# Altium PCB PCB.PcbDoc (part 2 of 2)
Units mil, origin at the board's own origin, x right, y up, seen from the top; angles counter-clockwise.
Board outline 3079.44 x 3937.01 mil, 2 copper layers (Top Layer, Bottom Layer); 104 components, 94 nets, 410 pads, 306 vias.
Unrouted connection lines stored in the file: 149.
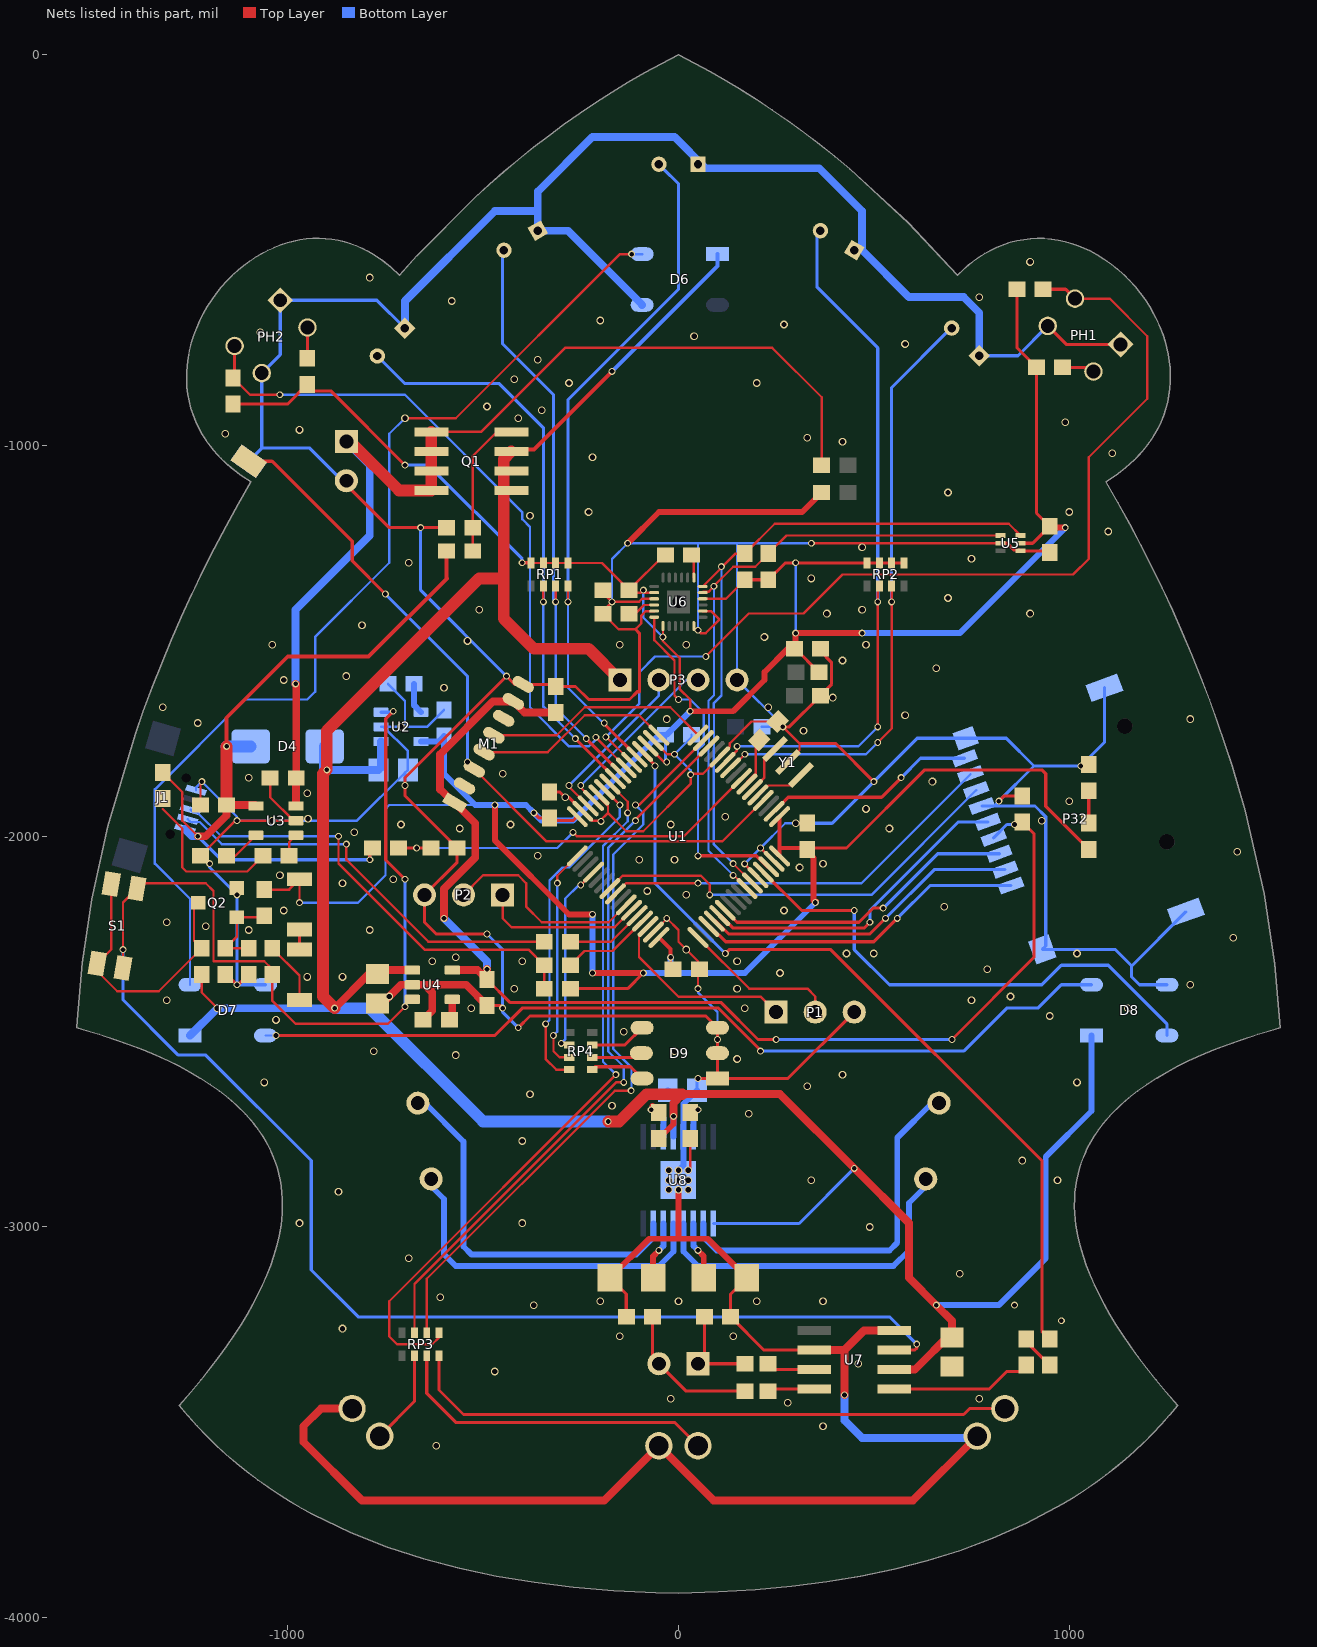
[diagram p2: the nets of this part, all layers, seen from the top]

## Via types
v1: diameter 19.68, hole 13.78, Top Layer to Bottom Layer, tented both sides, 142 vias
v2: diameter 17.72, hole 11.81, Top Layer to Bottom Layer, tented both sides, 128 vias
v3: diameter 19.68, hole 13.78, Top Layer to Bottom Layer, 26 vias
v4: diameter 17.72, hole 11.81, Top Layer to Bottom Layer, 8 vias
v5: diameter 29.53, hole 29.53, Top Layer to Bottom Layer, tented both sides, 2 vias

## Nets (pads, with @x,y where several pads share a name; then routed paths per layer and width w, separated by ;. In a path a pad name is that pad's centre, name@x,y a point inside that pad or via, vN(x,y) a via of type N, cw(c..) or ccw(c..) an arc to the next point about the centre after c; other vN are vias at no path point) (continued)
GND: BT1.2 C1.2 C2.1 C3.1 C4.1 C5.2 C6.2 C7.1 C8.1 C9.1 C10.1 C11.1 C12.1 C13.2 C14.2 C15.2 C16.2 C17.2 C18.1 C19.1 C21.1 C22.2 C24.2 C26.2 C27.2 C29.1 C30.1 C31.1 D6.3 D7.3 D8.3 D9.1 D9.2 D9.3 D10.2 D11.2 D12.2 J1.5 M1.8 P1.3 P2.3 P3.4 P10.2 P32.6 P32.10 PH1.2 PH1.3 PH2.2 PH2.3 Q2.2 Q3.1 Q4.1 Q5.1 Q6.1 Q7.1 R2.2 R3.2 R5.1 R11.1 R12.1 R15.2 R17.1 R35.1 U1.12 U1.18 U1.28 U1.31 U1.47 U1.60 U1.63 U2.2 U3.2 U4.2 U5.2 U5.4 U6.9 U6.11 U6.18 U6.20 U7.4 U7.6 U8.13 U8.EPAD Y1.2 | length 22454.1
  Top Layer w6: R5.1@-1223.46,-2050 -1133.46,-1960 v2(-1130,-1960) v3(-1040,-1960) U3.2@-985.33,-1960 ; C8.1@-1223.46,-1920 -1223.46,-1863.46 v2(-1220,-1860) ; C7.1@-1045.14,-1850.99 -1045.14,-1900.19 U3.2@-985.33,-1960 ; U3.2@-978.82,-1960 U3.2@-985.33,-1960 ; U1.31@-244.98,-1935.97 -220.95,-1960 -200,-1960 -180.36,-1940.36 ; U1.28@-203.22,-1894.21 -203.22,-1899.56 -180.36,-1922.42 -180.36,-1940.36 ; C14.2@-193.46,-1370 -193.46,-1376.54 v2(-170,-1400) ; U1.47@-64.03,-2244.98 -30,-2210.95 v2(-30,-2210) 0,-2240 0,-2270 v3(20,-2290) 50,-2320 v4(50,-2390) ; U1.18@-64.03,-1755.02 -29.05,-1790 v2(-10,-1790) ; U6.11@-62.01,-1423.62 -83.62,-1423.62 -94.88,-1434.88 -94.88,-1454.88 -110,-1470 -153.46,-1470 C13.2@-193.46,-1430 -193.46,-1423.46 v2(-170,-1400) ; U6.9@-62.01,-1392.13 -93.18,-1392.13 -100.74,-1399.69 -169.69,-1399.69 v2(-170,-1400) ; v1(25,-2855) 30,-2850 C21.1@30,-2773.46 ; v2(50,-1472.64) 57.36,-1480 70,-1480 105,-1445 83.62,-1423.62 U6.20@62.01,-1423.62 ; v2(169.3,-2070.7) 203.22,-2104.62 U1.60@203.22,-2105.79 ; v2(210,-2030) 244.03,-2064.03 U1.63@244.98,-2064.03 ; Y1.2@280,-1810 310,-1780 310,-1762.67 v2(267.33,-1720) C29.1@253.66,-1706.34 186.99,-1706.34 131.14,-1762.19 131.14,-1771.42 U1.12@105.79,-1796.78 62.56,-1840 33.56,-1840 v2(31.14,-1842.41) 31.14,-1865.86 -90,-1987 -133.72,-1987 -180.36,-1940.36 ; v2(340,-1250) U5.2@824.41,-1250
  Top Layer w8: R5.1@-1223.46,-2050 -1220,-2050 v2(-1200,-2070) ; C31.1@-1160,-2353.46 -1156.54,-2353.46 v2(-1130,-2380) -1126.54,-2380 R35.1@-1100,-2353.46 ; BT1.2@-850,-1100 -740,-1210 v2(-660,-1210) R2.2@-593.46,-1210 R2.2@-593.46,-1213.1 ; C17.2@-490,-2433.46 -456.54,-2433.46 v2(-450,-2440) ; v2(-490,-2250) -620,-2250 -650,-2220 P2.3@-650,-2150 -566.54,-2066.54 R17.1@-566.54,-2030 -700,-1896.54 v2(-700,-1870) -700,-1850 v2(-440,-1590) -418.55,-1611.45 M1.8@-397.49,-1611.45 -319.34,-1611.45 C18.1@-314.25,-1616.54 -263.46,-1616.54 -230,-1650 -125.39,-1650 -105.39,-1630 -100,-1630 -100,-1480 -110,-1470 ; v2(-410,-2490) -380,-2460 69.92,-2460 D9.3@100,-2490.08 v2(100,-2520) D9.2@100,-2555.08 D9.1@100,-2620 ; C12.1@-330,-1886.54 -303.46,-1886.54 v1(-290,-1900) -280.95,-1900 U1.31@-244.98,-1935.97 ; R12.1@-175.12,-3130 -133.46,-3171.65 C27.2@-133.46,-3230 ; v2(50,-2620) D9.1@100,-2620 ; R11.1@175.12,-3130 133.46,-3171.65 C26.2@133.46,-3230 218.46,-3315 U7.6@347.64,-3315 ; v2(267.33,-1720) 283.46,-1720 C3.1@363.46,-1640 363.46,-1639.4 392.18,-1610.69 392.18,-1555.76 363.46,-1527.04 C4.1@363.46,-1520 ; v1(300,-1966.54) C10.1@330,-1966.54 ; 310,-1762.67 402.67,-1762.67 v2(500,-1860) ; P1.3@450,-2450 280,-2620 D9.1@100,-2620 ; v2(820,-1910) 833.46,-1896.54 C30.1@880,-1896.54 ; U5.2@824.41,-1250 841.24,-1250 858.16,-1266.92 872.83,-1266.92 U5.4@875.59,-1269.68 946.22,-1269.68 C24.2@950,-1273.46 ; PH1.3@945.3,-693.57 992.63,-740.9 PH1.2@1131.82,-740.9
  Top Layer w15: R12.1@-175.12,-3130 -75.12,-3030 0,-3030 ; v2(-130,-1250) -50,-1170 316.54,-1170 R15.2@366.54,-1120 ; v1(0,-2905) 0,-3030 ; R11.1@175.12,-3130 75.12,-3030 0,-3030
  Top Layer w20: D10.2@-835.36,-3464.64 -914.64,-3464.64 -960,-3510 -960,-3550 -810,-3700 -190,-3700 D11.2@-50,-3560 90,-3700 600,-3700 D12.2@764.64,-3535.36 ; C16.2@-770,-2427.4 -757.4,-2427.4 v1(-740,-2410) -710,-2380 U4.2@-681.18,-2380 -650,-2380 ; C15.2@-653.46,-2470 -630,-2446.54 -630,-2400 -650,-2380 ; C17.2@-490,-2433.46 -543.46,-2380 -650,-2380 ; U7.6@347.64,-3315 425,-3315 ; v2(425,-3430) 425,-3315 ; U7.4@552.36,-3265 475,-3265 425,-3315
  Bottom Layer w6: J1.5@-1234.79,-1882.6 -1234.79,-1874.79 v2(-1220,-1860) -1130,-1950 v2(-1130,-1960) v3(-1040,-1960) -822.6,-1960 -700,-1837.4 C6.2@-692.6,-1830 -692.6,-1782.08 U2.2@-754.67,-1720 ; U2.2@-761.18,-1720 U2.2@-754.67,-1720 ; C1.2@-743.46,-1610 -700,-1653.46 -700,-1720 ; C5.2@-600,-1676.54 -643.46,-1720 -700,-1720 ; v2@-201.76,-1961.76 v2(-198.24,-1961.76) ; v2(-170,-1400) -170,-1290 v2(-130,-1250) 50,-1250 ; v2(31.14,-1842.41) 31.14,-1831.14 v2(-10,-1790) 33.46,-1746.54 C2.1@33.46,-1740 ; v4(50,-2390) 50,-2400 100,-2450 v2(100,-2520) ; v2(50,-1472.64) 50,-1250 ; v2(169.3,-2070.7) v2(210,-2030) 273.46,-1966.54 v1(300,-1966.54) ; C9.1@213.46,-1720 v2(267.33,-1720) 267.33,-1717.33 P3.4@150,-1600 150,-1250 ; v2(340,-1250) 150,-1250 ; U2.2@-754.67,-1720 v1(-710,-1720) -700,-1720 ; 50,-1250 150,-1250
  Bottom Layer w8: v2(-1200,-2070) -1200,-2080 v2(-1130,-2150) v2(-1130,-2380) -1129.92,-2380.08 D7.3@-1057.09,-2380.08 ; P10.2@-1100,-1040 -1066.43,-1006.42 ; BT1.2@-850,-1100 -943.58,-1006.42 -1066.43,-1006.42 ; v2(-700,-1870) C6.2@-700,-1837.4 ; Q3.1@-700,-700 -771.82,-628.18 PH2.2@-1019.1,-628.18 -1019.1,-767.37 PH2.3@-1066.43,-814.7 -1066.43,-1006.42 ; v2(-660,-1210) -660,-1370 v2(-440,-1590) ; v2(-490,-2250) -450,-2290 v2(-450,-2440) -450,-2450 v2(-410,-2490) ; C22.2@47.4,-2650 47.4,-2622.6 v2(50,-2620) ; v1(300,-1966.54) 393.46,-1966.54 v2(500,-1860) 610.73,-1749.27 P32.10@734.84,-1749.27 839.27,-1749.27 910,-1820 ; Q7.1@770,-770 868.87,-770 PH1.3@945.3,-693.57 ; P32.6@776.94,-1922.48 P32.6@807.52,-1922.48 ; P32.10@1090,-1620 1090,-1760 v2(1030,-1820) 910,-1820 ; D8.3@1250,-2380 1180,-2380 1160,-2360 1160,-2332.15 ; P32.10@1298.71,-2193.43 1160,-2332.15 ; P32.6@807.52,-1922.48 912.48,-1922.48 940,-1950 940,-2280.84 P32.10@931.43,-2289.41 1117.26,-2289.41 1160,-2332.15 ; P32.6@807.52,-1922.48 v2(820,-1910) 910,-1820
  Bottom Layer w15: v1(0,-2855) 12.8,-2842.2 U8.13@12.8,-2769 12.8,-2684.61 C22.2@47.4,-2650
  Bottom Layer w20: Q3.1@-700,-700 -700,-630 -470,-400 -360,-400 ; D6.3@-92.91,-639.92 -282.83,-450 Q4.1@-360,-450 -360,-400 ; v2(425,-3430) 425,-3495 470,-3540 760,-3540 D12.2@764.64,-3535.36 ; Q7.1@770,-770 770,-660 730,-620 590,-620 470,-500 470,-400 360,-290 70,-290 -10,-210 -220,-210 -360,-350 -360,-400
  other v1: -620,-3560 280,-3450 -20,-3440 770,-3440 -470,-3370 460,-3350 -150,-3280 140,-3280 -860,-3260 -370,-3200 -200,-3190 0,-3190 200,-3190 370,-3190 -610,-3180 720,-3120 -690,-3080 490,-3000 -970,-2990 -400,-2990 -870,-2910 -25,-2905 25,-2905 -25,-2880 0,-2880 25,-2880 340,-2880 970,-2880 -25,-2855 880,-2830 -400,-2780 180,-2710 -170,-2690 -380,-2660 330,-2640 -1060,-2630 1020,-2630 420,-2610 150,-2570 -570,-2560 -780,-2550 -10,-2550 -140,-2500 950,-2460 -530,-2440 -1310,-2420 750,-2420 150,-2390 -860,-2360 260,-2350 790,-2340 -630,-2320 150,-2320 430,-2300 500,-2300 1020,-2300 1420,-2260 -1210,-2230 -1310,-2220 270,-2190 680,-2180 20,-2150 -80,-2140 -860,-2120 -730,-2110 -1020,-2100 370,-2070 -100,-2060 -10,-2060 -360,-2050 1430,-2040 -710,-1970 -430,-1970 -20,-1970 930,-1960 120,-1950 1000,-1910 650,-1860 -450,-1840 320,-1730 -1230,-1710 -30,-1700 1310,-1700 -1320,-1670 230,-1670 395.12,-1645 -600,-1620 -1010,-1600 -850,-1590 660,-1570 420,-1550 -1040,-1510 -150,-1510 20,-1510 -540,-1500 220,-1490 -810,-1460 380,-1430 900,-1430 -510,-1420 470,-1420 690,-1390 340,-1340 -690,-1300 750,-1290 470,-1260 1100,-1220 -380,-1180 -230,-1170 1000,-1170 690,-1120 -220,-1030 1110,-1020 420,-990 330,-980 -1160,-970 -970,-960 990,-940 -410,-930 -350,-910 -490,-900 -280,-840 200,-840 -420,-830 -360,-780 580,-740 40,-720 -1070,-710 270,-690 -200,-680 -580,-630 770,-620 -790,-570 900,-530
  other v2: 980,-3240 860,-3200
  other v3: 370,-3510 -1030,-2470 170,-2440 1150,-2440 850,-2410 -420,-2390 1310,-2380 -950,-2360 -400,-2320 -570,-2310 -1100,-2240 -790,-2240 -1010,-2190 310,-2080 -830,-1990 -560,-1980 540,-1980 -948.07,-1955 480,-1930 -950,-1890 -1100,-1850 580,-1690 480,-1510
I2C1_SCL: R18.1 U1.58 U5.1 U6.23 | length 1637
  Top Layer w6: U6.23@62.01,-1376.38 63.82,-1374.57 76.64,-1374.57 v2@84.8,-1366.4 ; v2@90.33,-1359.67 140,-1310 196.54,-1310 R18.1@230,-1276.54 276.22,-1230.31 U5.1@824.41,-1230.31 ; v2(140,-2100) 141.76,-2100 U1.58@175.38,-2133.63
  Bottom Layer w6: v2(90.66,-1360) 91.14,-1360.48 91.14,-1638.86 77,-1653 77,-1678.62 78.12,-1679.73 78.12,-1769.21 77,-1770.33 77,-2037 v2(140,-2100)
I2C1_SDA: R19.1 U1.59 U5.6 U6.24 | length 1752.7
  Top Layer w6: U6.24@62.01,-1360.63 146.1,-1276.54 R19.1@170,-1276.54 246.54,-1200 845.28,-1200 U5.6@875.59,-1230.31 ; v2(140,-2070) 140,-2070.4 U1.59@189.3,-2119.71
  Bottom Layer w6: v2(110,-1310) 110,-1640 90,-1660 90,-1673.23 91.12,-1674.35 91.12,-1774.6 90,-1775.71 90,-2020 v2(140,-2070)
I2C2_SCL: P3.3 U1.29 | length 463.6
  Top Layer w6: v2(-250,-1870) -250,-1875.27 U1.29@-217.14,-1908.13
  Bottom Layer w6: v2(-250,-1870) 20,-1600 P3.3@50,-1600
I2C2_SDA: P3.2 U1.30 | length 437.6
  Top Layer w6: v2(-280,-1870) -280,-1873.11 U1.30@-231.06,-1922.05
  Bottom Layer w6: v2(-280,-1870) -50,-1640 P3.2@-50,-1600
IR_A1: Q3.2 RP1.6 U1.25 | length 1516.1
  Top Layer w6: v2(-345.75,-1400) RP1.6@-345.75,-1359.53
  Top Layer w8: v2(-263.92,-1750) -255.94,-1757.98 -255.94,-1758.23 -190.43,-1823.73 -190.19,-1823.73 U1.25@-161.47,-1852.45
  Bottom Layer w6: v2(-345.75,-1400) -345.75,-1668.17 v2(-263.92,-1750)
  Bottom Layer w8: Q3.2@-770.71,-770.71 -700,-841.42 -458.58,-841.42 -345.75,-954.25 v2(-345.75,-1400)
IR_A2: Q4.2 RP1.7 U1.24 | length 1504.4
  Top Layer w6: v2(-314.25,-1400) RP1.7@-314.25,-1359.53
  Top Layer w8: v2(-236.08,-1750) -190,-1796.08 -189.76,-1796.08 -147.55,-1838.29 U1.24@-147.55,-1838.53
  Bottom Layer w6: v2(-314.25,-1400) -314.25,-1671.83 v2(-236.08,-1750)
  Bottom Layer w8: Q4.2@-450,-500 -450,-740 -320,-870 -320,-1394.25 v2(-314.25,-1400)
IR_A3: Q5.2 RP1.8 U1.21 | length 1759.4
  Top Layer w6: v2(-282.76,-1400) RP1.8@-282.76,-1359.53
  Top Layer w8: v2(-190,-1710) -190,-1712.56 U1.21@-105.79,-1796.78
  Bottom Layer w6: v2(-282.76,-1400) -282.76,-1619.81 -190,-1712.56 v2(-190,-1710)
  Bottom Layer w8: v2(-282.76,-1400) -282.76,-882.76 0,-600 0,-330 Q5.2@-40,-290
IR_A4: Q6.2 RP2.6 U1.11 | length 1813.9
  Top Layer w6: U1.11@119.71,-1810.7 150,-1780.4 v2(150,-1770) ; v2(510,-1720) v2(510,-1400) 510,-1363.78 RP2.6@514.25,-1359.53
  Bottom Layer w6: v2(150,-1770) 460,-1770 v2(510,-1720)
  Bottom Layer w8: Q6.2@363.4,-450 355,-458.4 355,-595 510,-750 v2(510,-1400)
IR_A5: Q7.2 RP2.7 U1.10 | length 1583.1
  Top Layer w6: U1.10@133.63,-1824.62 135.38,-1824.62 v2(170,-1790) ; v2(510,-1760) 545.75,-1724.25 v2(545.75,-1400) RP2.7@545.75,-1359.53
  Bottom Layer w6: v2(170,-1790) 480,-1790 v2(510,-1760)
  Bottom Layer w8: v2(545.75,-1400) 545.75,-851.41 Q7.2@698.58,-698.58
IR_L1: RP3.3 U1.14 | length 1858.6
  Top Layer w6: RP3.3@-675.75,-3270.47 -675.75,-3145.75 -160,-2630 v2(-140,-2630) ; v2(-110,-1960) -110,-1956.89 U1.14@77.95,-1768.94
  Bottom Layer w6: v2(-140,-2630) -140,-2590 -180,-2550 -180,-2030 v2(-110,-1960)
IR_L2: RP3.2 U1.15 | length 1894
  Top Layer w6: RP3.2@-644.25,-3270.47 -644.25,-3132.64 -162.72,-2651.1 v2(-121.1,-2651.1) ; v2(-110,-1920) -100.95,-1920 U1.15@64.03,-1755.02
  Bottom Layer w6: v2(-121.1,-2651.1) -120,-2650 -120,-2591.62 -167,-2544.62 -167,-2047 -90,-1970 -90,-1940 v2(-110,-1920)
IR_L3: RP3.1 U1.26 | length 1867.4
  Top Layer w6: RP3.1@-612.76,-3270.47 -612.76,-3282.76 -630,-3300 -720,-3300 -740,-3280 -740,-3190 v2(-160,-2610) ; U1.26@-175.38,-1866.37 -130,-1911.76 v2(-130,-1940)
  Bottom Layer w6: v2(-160,-2610) -193,-2577 -193,-2024.62 -130,-1961.62 v2(-130,-1940)
MOTORA_1: B1.1 U8.2 | length 949
  Bottom Layer w15: U8.2@63.98,-2991 63.98,-3025.92 98.06,-3060 540,-3060 560,-3040 560,-2771.57 B1.1@650,-2681.57
MOTORA_2: B1.2 U8.4 | length 887.4
  Bottom Layer w15: U8.4@12.8,-2991 12.8,-3062.8 50,-3100 550,-3100 590,-3060 590,-2938.43 B1.2@650,-2878.43
MOTORB_1: B2.1 U8.7 | length 957.3
  Bottom Layer w15: B2.1@-650,-2681.57 -550,-2781.57 -550,-3050 -530,-3070 -108.06,-3070 -63.98,-3025.92 U8.7@-63.98,-2991
MOTORB_2: B2.2 U8.5 | length 899.1
  Bottom Layer w15: B2.2@-650,-2878.43 -600,-2928.43 -600,-3070 -570,-3100 -50,-3100 -12.8,-3062.8 U8.5@-12.8,-2991
MPU_INT: U1.62 U6.12 | length 881.3
  Top Layer w6: U6.12@-62.01,-1439.37 -62.01,-1497.99 -10,-1550 -10,-1640 v2(0,-1650)
  Top Layer w8: v2(50,-2050) 199.18,-2050 227.13,-2077.95 U1.62@231.06,-2077.95
  Bottom Layer w6: v2(0,-1650) 30,-1650 65.12,-1685.12 65.12,-1763.83 48.95,-1780 50,-1780 v2(50,-2050)
NetC1_1: C1.1 U2.4 | length 79.9
  Bottom Layer w15: C1.1@-676.54,-1610 -676.54,-1664.88 U2.4@-658.82,-1682.6
NetC13_1: C13.1 U6.10 | length 73.7
  Top Layer w6: C13.1@-126.54,-1430 -110,-1430 -87.87,-1407.87 U6.10@-62.01,-1407.87
NetC15_1: C15.1 U4.4 | length 55.8
  Top Layer w20: C15.1@-586.54,-2470 -578.82,-2462.28 U4.4@-578.82,-2417.4
NetC20_2: C20.2 U8.11 | length 122.8
  Top Layer w15: v2(-70,-2700) -66.54,-2696.54 -66.54,-2690 C20.2@-50,-2706.54
  Bottom Layer w15: v2(-70,-2700) -60,-2700 -38.39,-2721.61 U8.11@-38.39,-2769
NetC21_2: C21.2 U8.14 | length 96.5
  Top Layer w15: C21.2@30,-2706.54 36.54,-2700 v2(50,-2700)
  Bottom Layer w15: U8.14@38.39,-2769 38.39,-2711.61 v2(50,-2700)
NetC25_1: C25.1 R10.2 | length 91.8
  Top Layer w8: R10.2@890,-3286.54 890,-3293.46 C25.1@950,-3353.46
NetC26_1: C26.1 L3.2 LS1.1 | length 247.3
  Top Layer w8: C26.1@66.54,-3230 66.54,-3333.46 LS1.1@50,-3350 L3.2@170.47,-3350
NetC27_1: C27.1 L2.2 LS1.2 | length 376.3
  Top Layer w8: C27.1@-66.54,-3230 -66.54,-3333.46 LS1.2@-50,-3350 20,-3420 L2.2@170.47,-3420
NetC31_2: C31.2 Q2.1 R34.1 R35.2 | length 224.3
  Top Layer w6: R35.2@-1100,-2286.54 C31.2@-1160,-2286.54 -1130,-2256.54 -1130,-2208.19 Q2.1@-1130.79,-2207.4 -1063.94,-2207.4 R34.1@-1060,-2203.46
NetD1_2: D1.2 R6.1 | length 398
  Top Layer w6: -1320,-1930 -1270,-1980 -1270,-2080 -1260,-2090 -1103.46,-2090 R6.1@-1063.46,-2050
NetD2_2: D2.2 R3.1 | length 83.1
  Top Layer w8: D2.2@1050,-1966.54 R3.1@1050,-1883.46
NetD6_4: D6.4 D7.2 | length 2627.2
  Top Layer w6: v3(-700,-930) -570,-930 -150,-510 v2(-120,-510)
  Bottom Layer w6: D7.2@-1250,-2380.08 -1250,-2160 -1340,-2070 -1340,-1880 -1110,-1650 -950,-1650 -930,-1630 -930,-1490 -740,-1300 -740,-970 v3(-700,-930) ; v2(-120,-510) D6.4@-92.91,-510
NetD7_4: D7.4 D8.2 | length 2260.5
  Top Layer w8: v2(-1030,-2510) -470,-2510 -400,-2440 102.34,-2440 210,-2547.66 v2(210,-2550)
  Bottom Layer w6: D7.4@-1057.09,-2510 v2(-1030,-2510)
  Bottom Layer w8: v2(210,-2550) 730,-2550 840,-2440 920,-2440 980,-2380 D8.2@1057.09,-2380
NetD9_4: D9.4 RP4.3 | length 145.9
  Top Layer w8: RP4.3@-220.47,-2534.25 -137.09,-2534.25 D9.4@-92.91,-2490.08
NetD9_5: D9.5 RP4.2 | length 129.9
  Top Layer w8: RP4.2@-220.47,-2565.75 -105.67,-2565.75 D9.5@-95,-2555.08
NetD9_6: D9.6 RP4.1 | length 143
  Top Layer w8: RP4.1@-220.47,-2597.24 -213.23,-2590 -122.91,-2590 D9.6@-92.91,-2620
NetD10_1: D10.1 RP3.6 | length 242.6
  Top Layer w8: D10.1@-764.64,-3535.36 -675.75,-3446.46 RP3.6@-675.75,-3329.53
NetD11_1: D11.1 RP3.7 | length 846.1
  Top Layer w8: RP3.7@-644.25,-3329.53 -644.25,-3425.75 -570,-3500 -10,-3500 D11.1@50,-3560
NetD12_1: D12.1 RP3.8 | length 1568.2
  Top Layer w8: RP3.8@-612.76,-3329.53 -612.76,-3417.24 -550,-3480 730,-3480 745.36,-3464.64 D12.1@835.36,-3464.64
NetD20_1: D20.1 D21.2 | length 51.1
  Top Layer w8: D20.1@-970,-2290 D21.2@-970,-2238.9
NetD20_2: D20.2 R33.1 | length 161.4
  Top Layer w6: R33.1@-1040,-2286.54 -970,-2356.54 D20.2@-970,-2418.9
NetL2_1: L2.1 U7.8 | length 120.2
  Top Layer w8: L2.1@229.53,-3420 234.53,-3415 U7.8@347.64,-3415
NetL3_1: L3.1 U7.7 | length 124.3
  Top Layer w8: L3.1@229.53,-3350 244.53,-3365 U7.7@347.64,-3365
NetPH1_1: PH1.1 R30.1 | length 83.1
  Top Layer w8: R30.1@983.46,-800 1051.72,-800 PH1.1@1062.22,-810.5
NetPH2_1: PH2.1 R28.1 | length 79
  Top Layer w8: R28.1@-950,-776.54 -949.5,-776.04 PH2.1@-949.5,-697.78
NetQ1_2: Q1.G R1.2 R2.1 | length 367.9
  Top Layer w6: R1.2@-526.54,-1270 R2.1@-526.54,-1210 -526.54,-1026.54 -465,-965 Q1.G@-427.64,-965
NetQ2_3: Q2.3 R32.1 S1.1 | length 702.1
  Top Layer w6: S1.1@-1451.7,-2121.81 -1451.7,-2289.47 S1.1@-1487.59,-2325.37 -1487.59,-2345.48 -1436.54,-2396.54 -1330,-2396.54 R32.1@-1220,-2286.54 -1240,-2266.54 -1240,-2180.79 Q2.3@-1229.21,-2170
NetR5_2: R5.2 U3.5 | length 97.1
  Top Layer w6: R5.2@-1156.54,-2050 -1133.78,-2050 U3.5@-1081.18,-1997.4
NetR6_2: R6.2 U3.1 | length 59.9
  Top Layer w6: R6.2@-996.54,-2050 -996.54,-2015.12 U3.1@-978.82,-1997.4
NetR10_1: R10.1 U7.1 | length 363.1
  Top Layer w8: U7.1@552.36,-3415 795,-3415 840,-3370 873.46,-3370 R10.1@890,-3353.46
NetR11_2: R11.2 U8.3 | length 150
  Top Layer w15: v2(50,-3060) 64.88,-3074.88 R11.2@64.88,-3130
  Bottom Layer w15: U8.3@38.39,-2991 38.39,-3048.39 v2(50,-3060)
NetR12_2: R12.2 U8.6 | length 150
  Top Layer w15: R12.2@-64.88,-3130 -64.88,-3074.88 v2(-50,-3060)
  Bottom Layer w15: v2(-50,-3060) -38.39,-3048.39 U8.6@-38.39,-2991
NetR22_2: R22.2 U1.44 | length 198.4
  Top Layer w6: R22.2@-276.54,-2270 -172.56,-2270 U1.44@-105.79,-2203.22
NetR23_2: R23.2 U1.45 | length 231.4
  Top Layer w6: R23.2@-276.54,-2330 -240.36,-2293.83 -168.55,-2293.83 U1.45@-91.87,-2217.14
NetR31_2: R31.2 U6.1 | length 72.1
  Top Layer w6: U6.1@39.37,-1337.99 R31.2@39.37,-1265.91
NetU1_5: U1.5 Y1.1 | length 131.2
  Top Layer w6: U1.5@203.22,-1894.21 205.79,-1894.21 230,-1870 286.81,-1870 Y1.1@313.41,-1843.41
NetU1_6: U1.6 Y1.3 | length 127.4
  Top Layer w6: U1.6@189.3,-1880.29 220,-1849.6 220,-1803.19 Y1.3@246.59,-1776.59
PWR_ON: R33.2 S1.2 U2.3 U4.3 U7.3 | length 4805.1
  Top Layer w6: S1.2@-1421.68,-2336.99 v2(-1421.68,-2290) -1421.68,-2169.33 S1.2@-1385.79,-2133.43 -1372.35,-2120 -1210,-2120 -1190,-2140 -1190,-2320 -1060,-2320 -1040,-2340 R33.2@-1040,-2353.46 -1040,-2420 -980,-2480 -743.78,-2480 v4(-700,-2436.22)
  Top Layer w8: v4(-730,-1680) -749.19,-1699.19 -749.19,-2060.81 v4(-700,-2110) ; U7.3@552.36,-3315 605,-3315 610,-3310 v4(610,-3300)
  Bottom Layer w8: v2(-1421.68,-2290) -1421.68,-2418.32 -1280,-2560 -1210,-2560 -940,-2830 -940,-3110 -820,-3230 540,-3230 v4(610,-3300) ; U2.3@-761.18,-1682.6 -732.6,-1682.6 v4(-730,-1680) ; v4(-700,-2436.22) v4(-700,-2110)
RE_A1: PH1.4 R29.1 U1.22 | length 2512.8
  Top Layer w6: v2(-185.79,-1745.79) -184.62,-1745.79 U1.22@-119.71,-1810.7 ; v2(70,-1540) 180,-1430 320,-1430 420,-1330 1010,-1330 1050,-1290 1050,-1030 1200,-880 1200,-720 1103.98,-623.98 PH1.4@1014.9,-623.98
  Top Layer w8: R29.1@933.46,-600 990.92,-600 PH1.4@1014.9,-623.98
  Bottom Layer w6: v2(-185.79,-1745.79) -100,-1660 -100,-1580 -60,-1540 v2(70,-1540)
RE_A2: PH2.4 R27.1 U1.23 | length 1807.3
  Top Layer w6: R27.1@-1140,-826.54 -1096.54,-870 v2(-1020,-870) ; v2(-211.36,-1746.63) -211.36,-1746.88 U1.23@-133.63,-1824.62
  Top Layer w8: R27.1@-1140,-826.54 -1136.02,-822.56 PH2.4@-1136.02,-745.1
  Bottom Layer w6: v2(-1020,-870) -700,-870 -399.03,-1170.97 -399.84,-1171.78 -399.84,-1188.22 -380,-1208.06 -380,-1670 -280,-1770 -229.41,-1770 -211.36,-1751.95 v2(-211.36,-1746.63)
RGB_1: RP4.8 U1.27 | length 866.2
  Top Layer w6: v2(-340,-2480) -340,-2570 -312.76,-2597.24 RP4.8@-279.53,-2597.24 ; U1.27@-189.3,-1880.29 -150,-1919.6 v2(-150,-1920)
  Bottom Layer w6: v2(-340,-2480) -330,-2470 -330,-2113.33 -296.67,-2080 -280,-2080 -150,-1950 v2(-150,-1920)
RGB_2: RP4.7 U1.33 | length 572.2
  Top Layer w6: v2(-320,-2510) -320,-2550 -304.25,-2565.75 RP4.7@-279.53,-2565.75 ; v2(-310,-2120) -310,-2101.21 U1.33@-258.9,-2050.11
  Bottom Layer w6: v2(-320,-2510) -310,-2500 v2(-310,-2120)
RGB_3: RP4.6 U1.36 | length 502.2
  Top Layer w6: v2(-300,-2530) -295.75,-2534.25 RP4.6@-279.53,-2534.25 ; v2@-254.73,-2124.73 v2(-250,-2124.73) U1.36@-217.14,-2091.87
  Bottom Layer w6: v2(-300,-2530) -290,-2520 -290,-2160 -254.73,-2124.73 v2(-250,-2124.73)
RST: C29.2 U1.7 | length 125.5
  Top Layer w6: U1.7@175.38,-1866.37 175.38,-1861.03 198.25,-1838.16 198.25,-1761.75 C29.2@206.34,-1753.66
RXD1: P2.1 U1.43 | length 417.9
  Top Layer w6: P2.1@-450,-2150 -450,-2210 -427,-2233 -163.4,-2233 U1.43@-119.71,-2189.3
RXD2: M1.4 U1.17 | length 507.8
  Top Layer w6: M1.4@-497.49,-1784.65 -334.65,-1784.65 -240,-1690 -101.21,-1690 U1.17@-50.11,-1741.1
SD_DET: P32.9 U1.2 | length 543.7
  Top Layer w8: U1.2@244.98,-1935.97 280.95,-1900 520,-1900 v2(570,-1850)
  Bottom Layer w8: v2(570,-1850) 619.6,-1800.4 P32.9@732.5,-1800.4
SDIO_CK: P32.5 U1.53 | length 829.3
  Top Layer w8: U1.53@105.79,-2203.22 108.22,-2203.22 140,-2235 475,-2235 v2(490,-2220)
  Bottom Layer w8: v2(490,-2220) 490,-2190 716.82,-1963.18 P32.5@791.75,-1963.18
SDIO_CMD: P32.3 U1.54 | length 787.3
  Top Layer w8: U1.54@119.71,-2189.3 150,-2219.6 150,-2220 461.92,-2220 497.87,-2184.04 v2(524.04,-2184.04)
  Bottom Layer w8: v2(524.04,-2184.04) 663.52,-2044.57 P32.3@821.37,-2044.57
SDIO_D0: P32.7 U1.39 | length 1097.9
  Top Layer w6: U1.39@-175.38,-2133.63 -142.9,-2101.14 57.81,-2101.14 80,-2123.33 v2(80,-2150)
  Bottom Layer w6: v2(80,-2150) 493.91,-2150 P32.7@762.12,-1881.79
SDIO_D1: P32.8 U1.40 | length 1035.7
  Top Layer w6: U1.40@-161.47,-2147.55 -133.92,-2120 v2(50,-2120)
  Bottom Layer w6: v2(50,-2120) 468.4,-2120 P32.8@747.31,-1841.09
SDIO_D2: P32.1 U1.51 | length 848.8
  Top Layer w8: U1.51@77.95,-2231.06 81.88,-2231.06 120.82,-2270 500,-2270 v2(560,-2210)
  Bottom Layer w8: v2(560,-2210) 644.04,-2125.96 P32.1@851,-2125.96
SDIO_D3: P32.2 U1.52 | length 826.2
  Top Layer w8: U1.52@91.87,-2217.14 95.8,-2217.14 128.66,-2250 490,-2250 v2(530,-2210)
  Bottom Layer w8: v2(530,-2210) 654.74,-2085.26 P32.2@836.18,-2085.26
SND_OUT: C25.2 U1.20 | length 2107.5
  Top Layer w8: U1.20@-91.87,-1782.86 -91.87,-1786.79 -60,-1818.66 v2(-60,-1820) ; v2(120,-2300) 130,-2290 390,-2290 930,-2830 930,-3266.54 C25.2@950,-3286.54
  Bottom Layer w8: v2(-60,-1820) -60,-2120 v2(120,-2300)
SWDCLK: P1.2 U1.49 | length 392.5
  Top Layer w6: U1.49@50.11,-2258.9 181.21,-2390 330,-2390 350,-2410 P1.2@350,-2440
SWDIO: P1.1 U1.46 | length 496.7
  Top Layer w6: U1.46@-77.95,-2231.06 -100.81,-2253.93 -100.81,-2309.19 1,-2411 211,-2411 P1.1@250,-2450
TXD1: P2.2 U1.42 | length 540.4
  Top Layer w6: P2.2@-550,-2150 -500,-2100 -410,-2100 -390,-2120 -390,-2180 -350,-2220 -178.24,-2220 U1.42@-133.63,-2175.38
TXD2: M1.5 U1.16 | length 581.6
  Top Layer w6: M1.5@-472.49,-1741.35 -311.35,-1741.35 -240,-1670 -20.99,-1670 U1.16@50.11,-1741.1
USB_DET: R16.1 R17.2 U1.8 | length 996.4
  Top Layer w6: v4(-270,-1990) -260,-2000 13.92,-2000 U1.8@161.47,-1852.45
  Top Layer w8: R16.1@-716.54,-2030 v2(-670,-2030) R17.2@-633.46,-2030
  Bottom Layer w6: v2(-670,-2030) -310,-2030 v4(-270,-1990)
USB_N: J1.2 R22.1 | length 1065.8
  Top Layer w6: v2(-850,-2020) -850,-2060 -640,-2270 R22.1@-343.46,-2270
  Bottom Layer w6: J1.2@-1255.95,-1956.4 -1248.92,-1963.43 -1225.28,-1963.43 -1168.72,-2020 v2(-850,-2020)
USB_P: J1.3 R9.1 R23.1 | length 1171.4
  Top Layer w6: v2(-870,-2000) -870,-2070 -650,-2290 -383.46,-2290 R23.1@-343.46,-2330 R9.1@-343.46,-2390
  Bottom Layer w6: J1.3@-1248.89,-1931.8 -1241.86,-1938.83 -1231.41,-1938.83 -1170.25,-2000 v2(-870,-2000)
VBAT: BT1.1 C7.2 Q1.D R14.2 U3.3 | length 2770.4
  Top Layer w6: Q1.D@-632.36,-965 -505,-965 -290,-750 240,-750 366.54,-876.54 R14.2@366.54,-1050
  Top Layer w20: v2(-980,-1610) -978.21,-1611.79 C7.2@-978.21,-1850.99 -978.82,-1851.6 U3.3@-978.82,-1922.6
  Top Layer w30: BT1.1@-850,-990 -840,-990 -715,-1115 Q1.D@-632.36,-1115 Q1.D@-632.36,-1065 Q1.D@-632.36,-1015 Q1.D@-632.36,-965
  Bottom Layer w20: v2(-980,-1610) -980,-1420 -790,-1230 -790,-1050 BT1.1@-850,-990
VCC: C2.2 C4.2 C5.1 C10.2 C11.2 C12.2 C14.1 C24.1 D2.1 D21.1 L1.1 R9.2 R18.2 R19.2 R27.2 R28.2 R29.2 R30.2 R31.1 R34.2 RP1.1 RP1.2 RP1.3 RP1.4 RP2.1 RP2.2 RP2.3 RP2.4 U1.1 U1.19 U1.32 U1.48 U1.64 U2.5 U5.5 U6.8 U6.13 U6.22 | length 9472.2
  Top Layer w6: R34.2@-1060,-2136.54 -996.54,-2136.54 D21.1@-970,-2110 v2(-970,-2170) ; RP1.4@-377.24,-1300.47 RP1.3@-345.75,-1300.47 RP1.2@-314.25,-1300.47 RP1.1@-282.76,-1300.47 -196.06,-1300.47 C14.1@-126.54,-1370 ; v2@-90,-1376.38 U6.8@-62.01,-1376.38 ; v2(-90,-1370) -96.38,-1376.38 -120.16,-1376.38 C14.1@-126.54,-1370 ; -40,-1500 3,-1543 3,-1623 30,-1650 v2(30,-1680) ; v2@-39.37,-1490 U6.13@-39.37,-1462.01 ; R31.1@-33.46,-1276.93 C14.1@-126.54,-1370 ; v4(-20,-2310) -20,-2333.46 C11.2@-13.46,-2340 ; U6.22@62.01,-1392.13 121.34,-1392.13 R19.2@170,-1343.46 ; C24.1@950,-1206.54 C24.1@953.46,-1210
  Top Layer w8: R27.2@-1140,-893.46 -1000,-893.46 R28.2@-950,-843.46 -933.46,-860 -890,-860 v2(-700,-1050) ; v2(-400,-1300) -377.72,-1300 RP1.4@-377.24,-1300.47 ; v2(-370,-1940) -356.54,-1953.46 C12.2@-330,-1953.46 -323.46,-1960 -270,-1960 -259.89,-1949.89 U1.32@-258.9,-1949.89 ; R9.2@-276.54,-2390 -130,-2390 v2(-90,-2350) ; U1.19@-77.95,-1768.94 -36.89,-1810 v2(-30,-1810) ; R19.2@170,-1343.46 R18.2@230,-1343.46 272.99,-1300.47 RP2.4@482.76,-1300.47 RP2.3@514.25,-1300.47 RP2.2@545.75,-1300.47 RP2.1@577.24,-1300.47 ; C4.2@296.54,-1520 299.53,-1520 L1.1@359.53,-1580 ; C10.2@320,-2030 430,-2030 630,-1830 930,-1830 940,-1840 940,-1923.46 D2.1@1050,-2033.46 ; v2@350,-2168.8 v2(350.6,-2169.4) v2@355.82,-2164.18 ; R29.2@866.54,-600 866.54,-750 R30.2@916.54,-800 916.54,-1173.07 C24.1@950,-1206.54 906.54,-1250 U5.5@875.59,-1250
  Top Layer w10: U1.48@-50.11,-2258.9 -20,-2289.01 v4(-20,-2310) ; U1.64@258.9,-2050.11 258.9,-2030 ; U1.1@258.9,-1949.89 258.9,-2030 ; C10.2@320,-2030 258.9,-2030
  Top Layer w15: v2(-470,-1920) -470,-2010 -280,-2200 v2(-220,-2200) ; v2(-220,-2350) v2(-90,-2350) ; v2(30,-1680) 140,-1680 220,-1600 220,-1580 280,-1520 C4.2@296.54,-1520 300,-1516.54 v2(300,-1480) v2(470,-1480) ; C10.2@320,-2030 345.66,-2055.66 345.66,-2164.46 v2@350,-2168.8 ; C24.1@953.46,-1210 v2(990,-1210)
  Bottom Layer w6: v2(-970,-2170) -820,-2170 -750,-2100 -750,-1930 -740,-1920 -520,-1920 ; v2(-90,-1370) -90,-1440 v2(-40,-1490) ; C2.2@-33.46,-1740 C2.2@-30,-1740 ; v2(300,-1480) v2(300,-1300)
  Bottom Layer w8: v2(-700,-1050) -640,-1050 -400,-1290 v2(-400,-1300) ; C2.2@-33.46,-1740 -33.46,-1806.54 v2(-30,-1810)
  Bottom Layer w15: U2.5@-658.82,-1757.4 -613.94,-1757.4 C5.1@-600,-1743.46 -600,-1840 -520,-1920 v2(-470,-1920) -390,-1920 v2(-370,-1940) -350,-1960 -270,-1960 -50,-1740 C2.2@-33.46,-1740 ; v2(-220,-2350) v2(-220,-2200) ; v2(-90,-2350) -20,-2350 ; C2.2@-30,-1740 v2(30,-1680) ; v4(-20,-2310) -20,-2350 ; v2(350.6,-2169.4) 170,-2350 -20,-2350 ; v2(470,-1480) 720,-1480 v2(990,-1210)
VCC33: C17.1 C18.2 C30.2 M1.1 M1.7 P32.4 U4.5 | length 3156.3
  Top Layer w8: C17.1@-490,-2366.54 -431.54,-2425 108.56,-2425 203.56,-2520 v2(250,-2520) ; v2(700,-2520) 910,-2310 910,-1993.46 C30.2@880,-1963.46 873.46,-1970 v2(860,-1970)
  Top Layer w20: v2(-600,-2210) -600,-2134.2 -520,-2054.2 -520,-1967.05 M1.1@-572.49,-1914.56 -575.44,-1914.56 -610,-1880 -610,-1790 -474.75,-1654.75 M1.7@-422.49,-1654.75 -393.78,-1683.46 C18.2@-314.25,-1683.46 ; U4.5@-578.82,-2342.6 -513.94,-2342.6 C17.1@-490,-2366.54 v2(-490,-2340)
  Bottom Layer w8: v2(250,-2520) v2(700,-2520) ; P32.4@806.56,-2003.87 840.43,-1970 v2(860,-1970)
  Bottom Layer w20: v2(-600,-2210) -490,-2320 v2(-490,-2340)
VDD: C6.1 C16.1 C19.2 C20.1 C22.1 D4.2 D6.1 D7.1 D8.1 P3.1 Q1.S R32.2 U2.1 U4.1 U7.2 U8.1 U8.12 | length 7804
  Top Layer w6: R32.2@-1220,-2353.46 -1220,-2400 v1(-1180,-2440)
  Top Layer w10: Q1.S@-430,-1010 -370,-1010 v2(-170,-810)
  Top Layer w15: C20.1@-50,-2773.46 -12.8,-2736.26 v2(-12.8,-2716.8)
  Top Layer w20: v2(-880,-2440) -792.6,-2352.6 C16.1@-770,-2352.6 -760,-2342.6 U4.1@-681.18,-2342.6 ; v2(-12.8,-2716.8) -12.8,-2682.8 10,-2660 260,-2660 v2(450,-2850) 590,-2990 590,-3130 v2(660,-3200) 700,-3240 700,-3270 605,-3365 U7.2@552.36,-3365
  Top Layer w30: v2(-880,-2440) -910,-2410 -910,-1840 v2(-900,-1830) -900,-1730 -510,-1340 -447.17,-1340 ; Q1.S@-427.64,-1015 -447.17,-1034.53 -447.17,-1340 ; v2(-180,-2730) -151.72,-2730 -81.72,-2660 10,-2660 ; P3.1@-150,-1600 -230,-1520 -370,-1520 -447.17,-1442.83 -447.17,-1340
  Bottom Layer w8: U8.1@89.57,-2991 309,-2991 v2(450,-2850)
  Bottom Layer w10: v2(-170,-810) 100,-540 D6.1@100,-510
  Bottom Layer w15: C22.1@-27.4,-2650 -12.8,-2664.61 v2(-12.8,-2716.8) U8.12@-12.8,-2769 ; v2(660,-3200) 820,-3200 940,-3080 940,-2820 1057.09,-2702.91 D8.1@1057.09,-2509.92
  Bottom Layer w20: D7.1@-1250,-2510 v1(-1180,-2440) v2(-880,-2440) ; v2(-900,-1830) C6.1@-767.4,-1830 -761.18,-1823.78 U2.1@-761.18,-1757.4
  Bottom Layer w30: D4.2@-905.51,-1770 -905.51,-1824.49 v2(-900,-1830) ; v2(-880,-2440) -790,-2440 -500,-2730 v2(-180,-2730)
VUSB: C8.2 D1.1 D4.1 J1.1 R1.1 R16.2 U3.4 | length 2004.6
  Top Layer w6: D1.1@-1320,-1836.54 -1270,-1886.54 -1270,-1960 v2(-1230,-2000)
  Top Layer w8: v2(-790,-2060) -790,-2036.54 R16.2@-783.46,-2030
  Top Layer w10: v4(-1156.54,-1770) -1156.54,-1696.54 -1000,-1540 -792.83,-1540 -592.83,-1340 ; -593.46,-1339.37 R1.1@-593.46,-1270
  Top Layer w20: v2(-1230,-2000) -1210,-2000 -1156.54,-1946.54 C8.2@-1156.54,-1920 -1083.78,-1920 U3.4@-1081.18,-1922.6
  Top Layer w30: C8.2@-1156.54,-1920 v4(-1156.54,-1770)
  Bottom Layer w8: v2(-1230,-2000) -1170,-2060 v2(-790,-2060)
  Bottom Layer w20: J1.1@-1263,-1981 -1260,-1984 -1260,-1985 -1245,-2000 v2(-1230,-2000)
  Bottom Layer w30: v4(-1156.54,-1770) D4.1@-1094.49,-1770
W_IO0: M1.3 P10.1 U1.4 | length 1922
  Top Layer w6: M1.3@-522.49,-1827.96 -337.45,-2013 112.27,-2013 U1.4@217.14,-1908.13
  Top Layer w8: P10.1@-1100,-1040 -1040,-1040 -835,-1245 -835,-1295 v2(-750,-1380) ; v2(-540,-1810) -540,-1810.45 M1.3@-522.49,-1827.96
  Bottom Layer w8: v2(-750,-1380) -540,-1590 v2(-540,-1810)
W_IO2: M1.2
W_RST: M1.6
WS2812_DRV: D8.4 U1.61 | length 1323.5
  Top Layer w8: U1.61@217.14,-2091.87 315.27,-2190 v2(450,-2190)
  Bottom Layer w8: v2(450,-2190) 450,-2290 540,-2380 930,-2380 980,-2330 1100,-2330 1250,-2480 D8.4@1250,-2509.92
pads on no net: D4.0 D6.2 J1. J1.4 J1.HOLE P32. RP1.5 RP2.5 RP2.8 RP3.4 RP3.5 RP4.4 RP4.5 U1.3 U1.41 U1.50 U1.55 U1.56 U1.57 U2.0 U3.0 U4.0 U5.3 U6.2 U6.3 U6.4 U6.5 U6.6 U6.7 U6.14 U6.15 U6.16 U6.17 U6.19 U6.21 U6.25 U7.5 U8.8
copper on no net:
  other v5: -1383.38,-2238.8 -1490,-2220

## Keep-outs
Keep-Out Layer:
  circle w10: c0.04,-1023.7 r118.11
  circle w10: c-880.36,-2637.87 r59.06
  circle w10: c-778.46,-3018.16 r59.06
  circle w10: c880.43,-2637.87 r59.06
  circle w10: c778.54,-3018.16 r59.06
  lines w10: -1539.68,-2490.4 -1523.62,-2494.9 -1482.02,-2507.3 -1442.18,-2520.23 -1405.66,-2533.13 -1370.77,-2546.53 -1337.51,-2560.42 -1305.86,-2574.81 -1277.12,-2589.04 -1249.86,-2603.73 -1224.09,-2618.87 -1198.74,-2635.18 -1175.01,-2651.99 -1151.98,-2670.07 -1129.87,-2689.47 -1108.16,-2711.08 -1086.65,-2735.9 cw(c-1372.7,-2964.4) -1063.94,-2767.67 cw(c-1332.84,-2940.15) -1022.62,-2863.86 cw(c-1338.06,-2940.37) -1013.7,-2928.1 cw(c-1374.18,-2942.1) -1014.15,-2964.86 -1017.22,-2995.1 -1021.99,-3022.72 -1028.08,-3048.65 -1035.42,-3073.92 -1043.82,-3098.46 -1053.57,-3123.41 -1064.68,-3148.78 -1076.51,-3173.33 -1089.58,-3198.26 -1103.87,-3223.56 -1119.39,-3249.23 -1137.01,-3276.59 -1155.99,-3304.37 -1176.32,-3332.56 -1198.01,-3361.17 -1222.18,-3391.58 -1247.84,-3422.45 -1277.52,-3456.64 ccw(c-453.79,-2791.43) -1048.07,-3667.71 ccw(c-369.69,-2672.72) -937.08,-3734.92 -838.28,-3782.64 -744.91,-3819.45 -652.87,-3849.22 -560.66,-3873.54 -466.03,-3893.56 -369.38,-3909.51 -269.36,-3921.79 -166.12,-3930.5 -57.91,-3935.75 0.04,-3937.09 101.5,-3934.09 196.97,-3928.3 290.18,-3919.57 379.35,-3908.07 466.11,-3893.56 551.81,-3875.63 636.08,-3854.06 719.88,-3828.17 803.85,-3797.1 890.61,-3758.65 983.79,-3708.66 ccw(c396.57,-2714.79) 1094.09,-3634.61 ccw(c461.58,-2798.82) 1277.6,-3456.64 1247.91,-3422.45 1222.26,-3391.58 1198.08,-3361.17 1176.4,-3332.56 1156.07,-3304.37 1137.09,-3276.59 1119.47,-3249.23 1103.95,-3223.56 1089.65,-3198.26 1076.59,-3173.33 1064.75,-3148.78 1053.65,-3123.41 1043.9,-3098.46 1035.5,-3073.92 1028.16,-3048.65 1022.07,-3022.72 1017.29,-2995.1 1014.23,-2964.86 cw(c1374.25,-2942.1) 1013.78,-2928.1 cw(c1338.14,-2940.37) 1022.69,-2863.86 cw(c1332.92,-2940.15) 1064.02,-2767.67 cw(c1372.78,-2964.4) 1086.73,-2735.9 1108.23,-2711.08 1129.95,-2689.47 1152.06,-2670.07 1175.08,-2651.99 1198.81,-2635.18 1224.17,-2618.87 1249.94,-2603.73 1277.2,-2589.04 1305.94,-2574.81 1337.58,-2560.42 1370.85,-2546.53 1405.74,-2533.13 1442.26,-2520.23 1482.1,-2507.3 1523.7,-2494.9 1539.76,-2490.4 1526.34,-2327.01 1498.77,-2147.3 1450.14,-1934.95 ccw(c-1652.89,-2770.86) 1359.18,-1650.62 ccw(c-1980.19,-2894.87) 1094.31,-1092.92 1119.64,-1076.12 1143.67,-1057.64 1167.06,-1036.56 ccw(c927.48,-791.9) 1191.51,-1009.96 ccw(c952.65,-812.49) 1219.23,-970.55 ccw(c969.13,-823.4) 1253.69,-766.6 ccw(c910.91,-831.13) 1234.61,-701.2 ccw(c875.95,-845.02) 1053.06,-501.58 ccw(c911.19,-785.55) 1007.55,-483.09 ccw(c920.2,-756.96) 953.93,-471.48 ccw(c923.03,-736.81) 784.52,-508.41 ccw(c948.89,-785.82) 754.35,-528.66 ccw(c971.35,-815.66) 729.69,-549.1 714.18,-563.93 587.93,-429.56 438.68,-292.18 ccw(c-1059.14,-2054.48) 239.9,-140.94 ccw(c-956.14,-1902.93) 0.04,-0.08 ccw(c972.29,-1931.19) -331.81,-206.72 ccw(c1126.04,-2138.04) -520.53,-364.87 -669.05,-513.94 -714.1,-563.93 -735.49,-543.89 -758.27,-525.69 ccw(c-947.23,-783.37) -785.45,-507.81 ccw(c-932.23,-757.57) -823.27,-489.15 ccw(c-923.85,-738.84) -1017.14,-486.34 ccw(c-907.85,-793.25) -1067.58,-509.3 ccw(c-888.95,-826.53) -1127.2,-551.25 ccw(c-874.05,-845.42) -1246.71,-737.03 ccw(c-928.51,-826.96) -1257.57,-794.52 ccw(c-960.61,-824) -1255.67,-868.65 ccw(c-971.6,-824.56) -1198.19,-1001.47 ccw(c-932.67,-796.69) -1170.6,-1032.96 ccw(c-905.28,-769.66) -1144.63,-1056.78 -1118.41,-1076.94 -1094.24,-1092.92 ccw(c1957.01,-2883.04) -1390.79,-1739.85 -1460.49,-1974.9 -1501.34,-2161.52 -1525.93,-2324.19 -1538.7,-2470.99 -1539.68,-2490.4

## Other copper
Top Layer:
  rectangle net GND: -300,-3000 300,-2810
  pour cut-out: -900,-1200 -1190,-1700 -1371.79,-1596.12 -1081.79,-1096.12
Bottom Layer:
  pour cut-out: -900,-1200 -1190,-1700 -1373.26,-1595.28 -1083.26,-1095.28

## Silkscreen, mask and mechanical layers (free items; w line width, h text height)
Top Solder:
  rectangle: -300,-3000 300,-2810

## Text inside footprints (layer, text, board x,y; h text height)
P32: Bottom Overlay "KINMOX" at 1061.53,-1828.3 h35 r110; Bottom Overlay "TF CARD" at 955.07,-1834.06 h35 r110
Q3: Top Overlay "E" at -763.64,-615.15 h40 r225; Top Overlay "C" at -834.35,-685.86 h40 r225
Q4: Top Overlay "C" at -486.11,-401.57 h40 r210; Top Overlay "E" at -399.51,-351.57 h40 r210
Q5: Top Overlay "E" at 65,-175 h40 r180; Top Overlay "C" at -35,-175 h40 r180
Q6: Top Overlay "C" at 428.89,-366.57 h40 r150; Top Overlay "E" at 515.49,-416.57 h40 r150
Q7: Top Overlay "E" at 854.85,-706.36 h40 r135; Top Overlay "C" at 784.14,-635.65 h40 r135
U8: Bottom Overlay "*" at 148.57,-3001 h50 r270; Mechanical 1 "*" at 148.57,-3001 h50 r270